# Altium PCB STM32F103最小系统板V1_0.PcbDoc (part 1 of 2)
Units mil, origin at the board's own origin, x right, y up, seen from the top; angles counter-clockwise.
Board outline 3570.03 x 4250.03 mil, 2 copper layers (Top Layer, Bottom Layer); 203 components, 158 nets, 636 pads, 276 vias.
Unrouted connection lines stored in the file: 3.
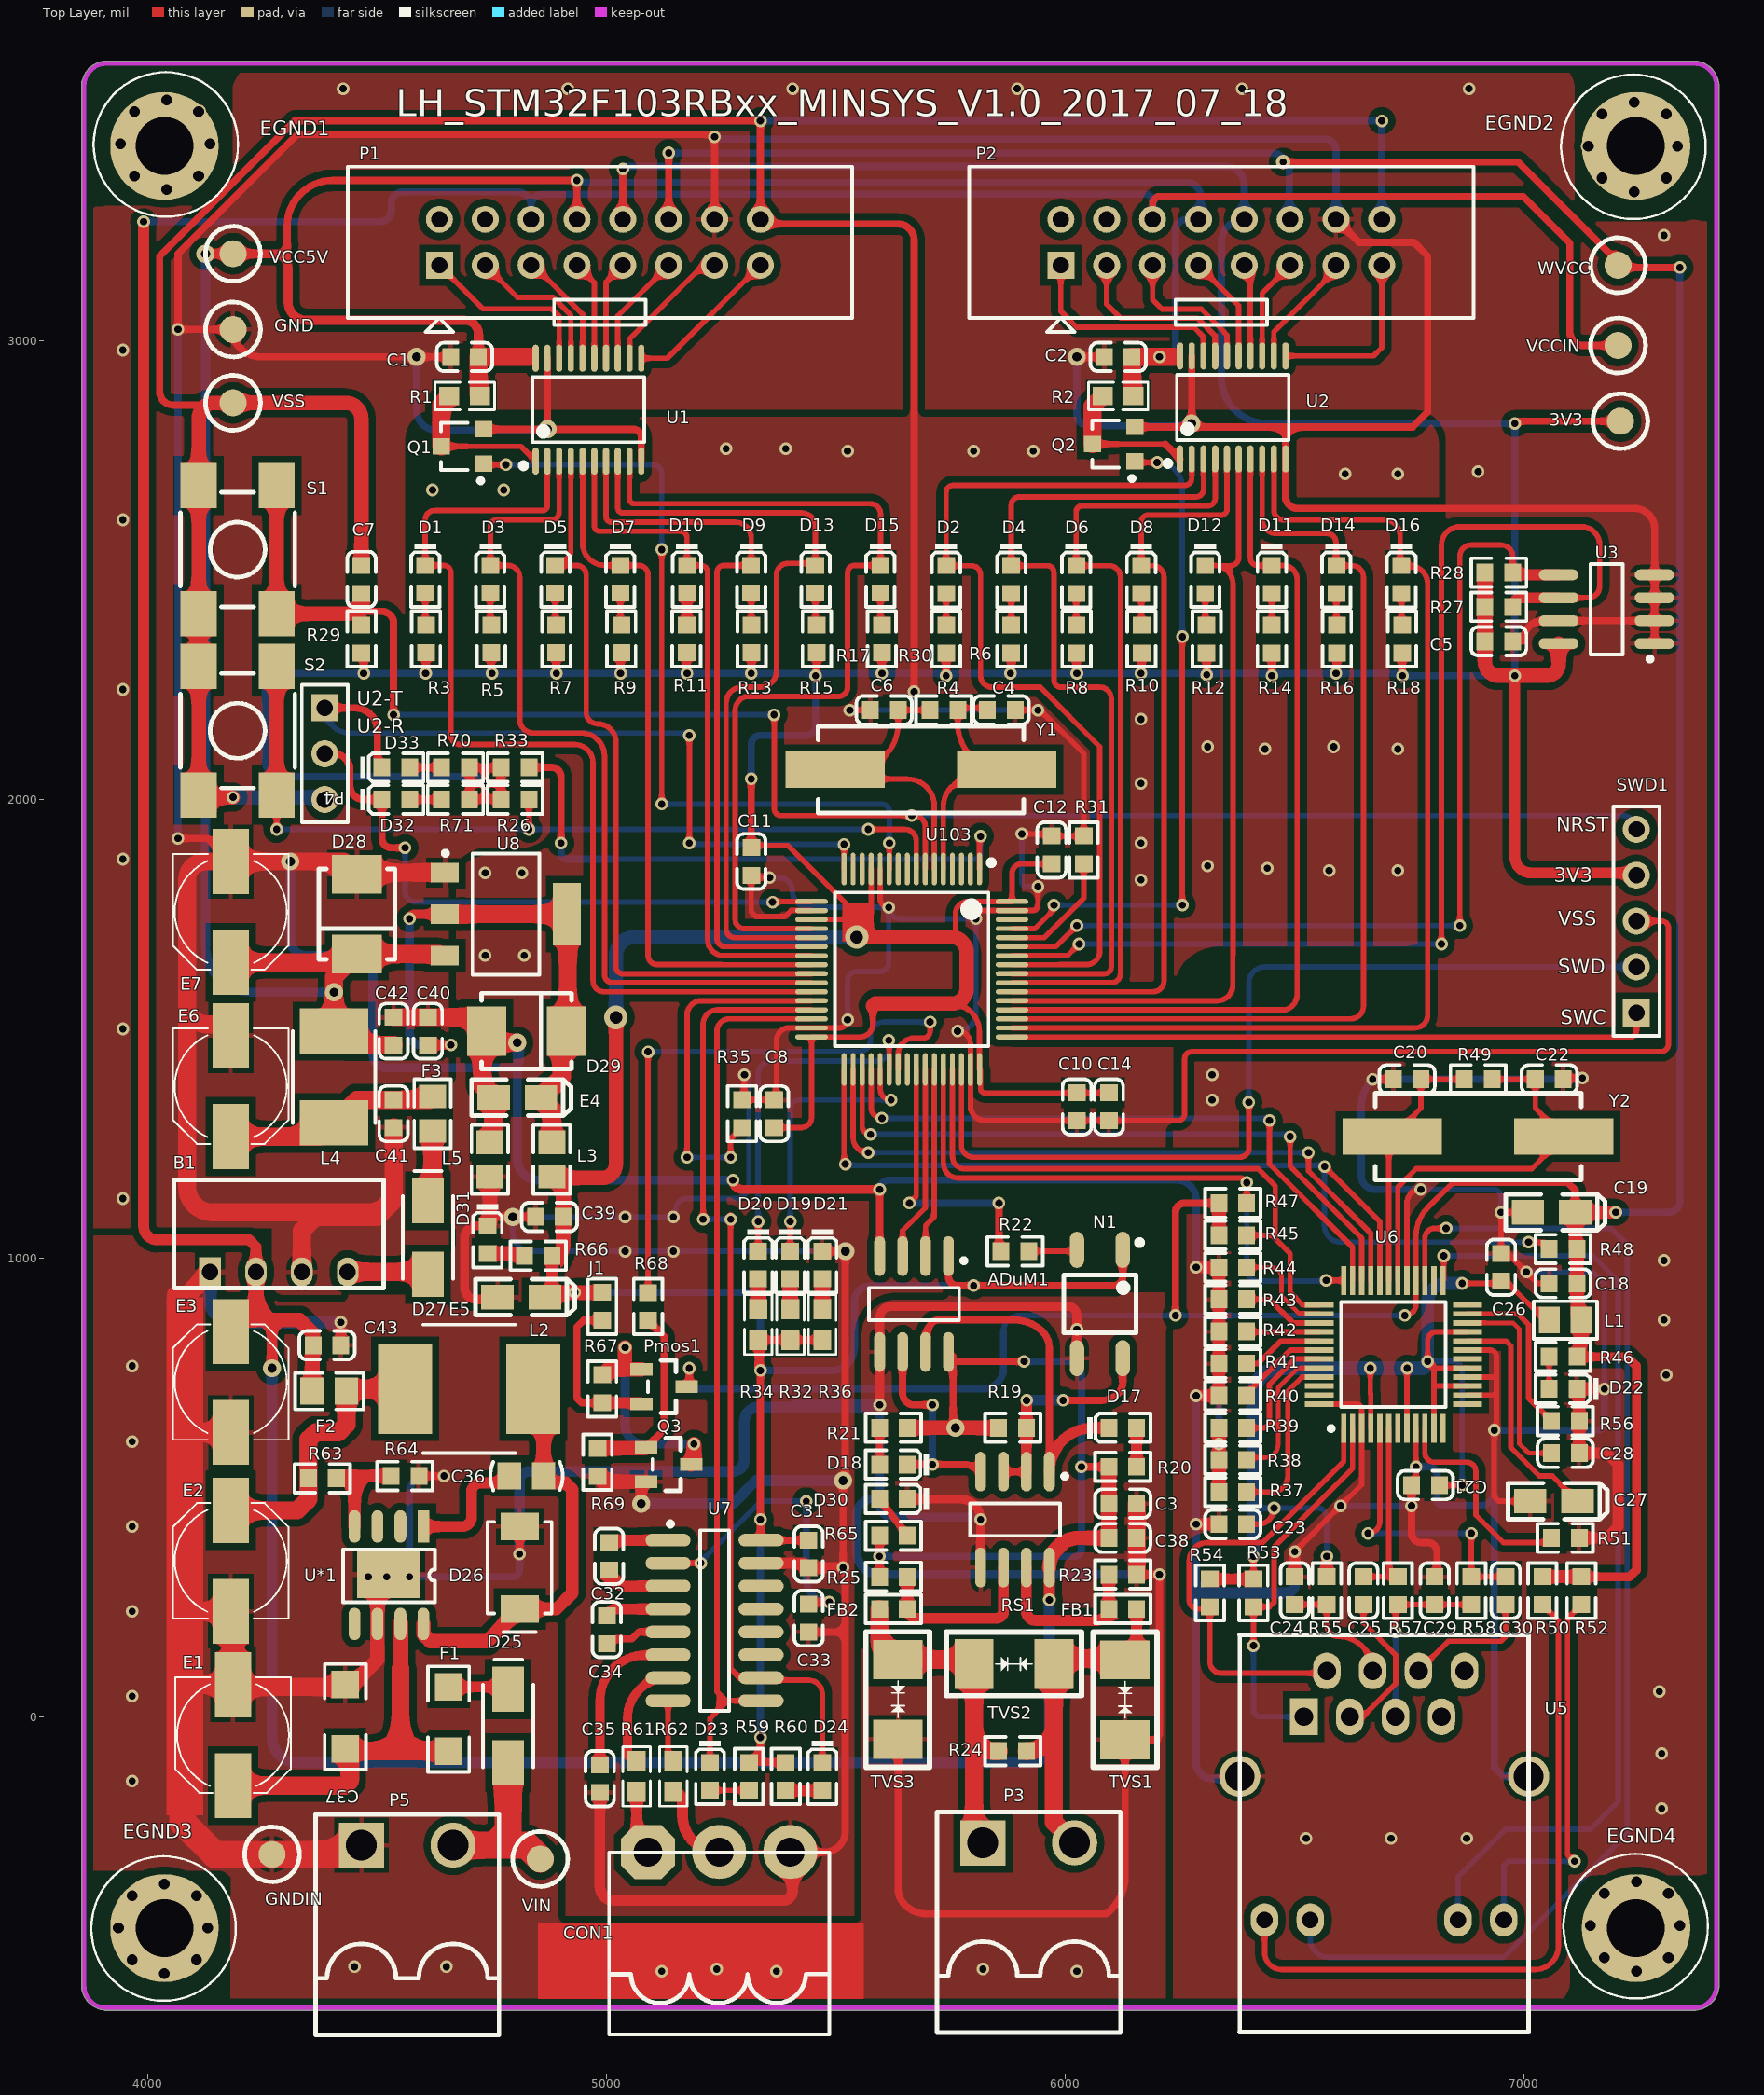
[diagram p0: Top Layer view]
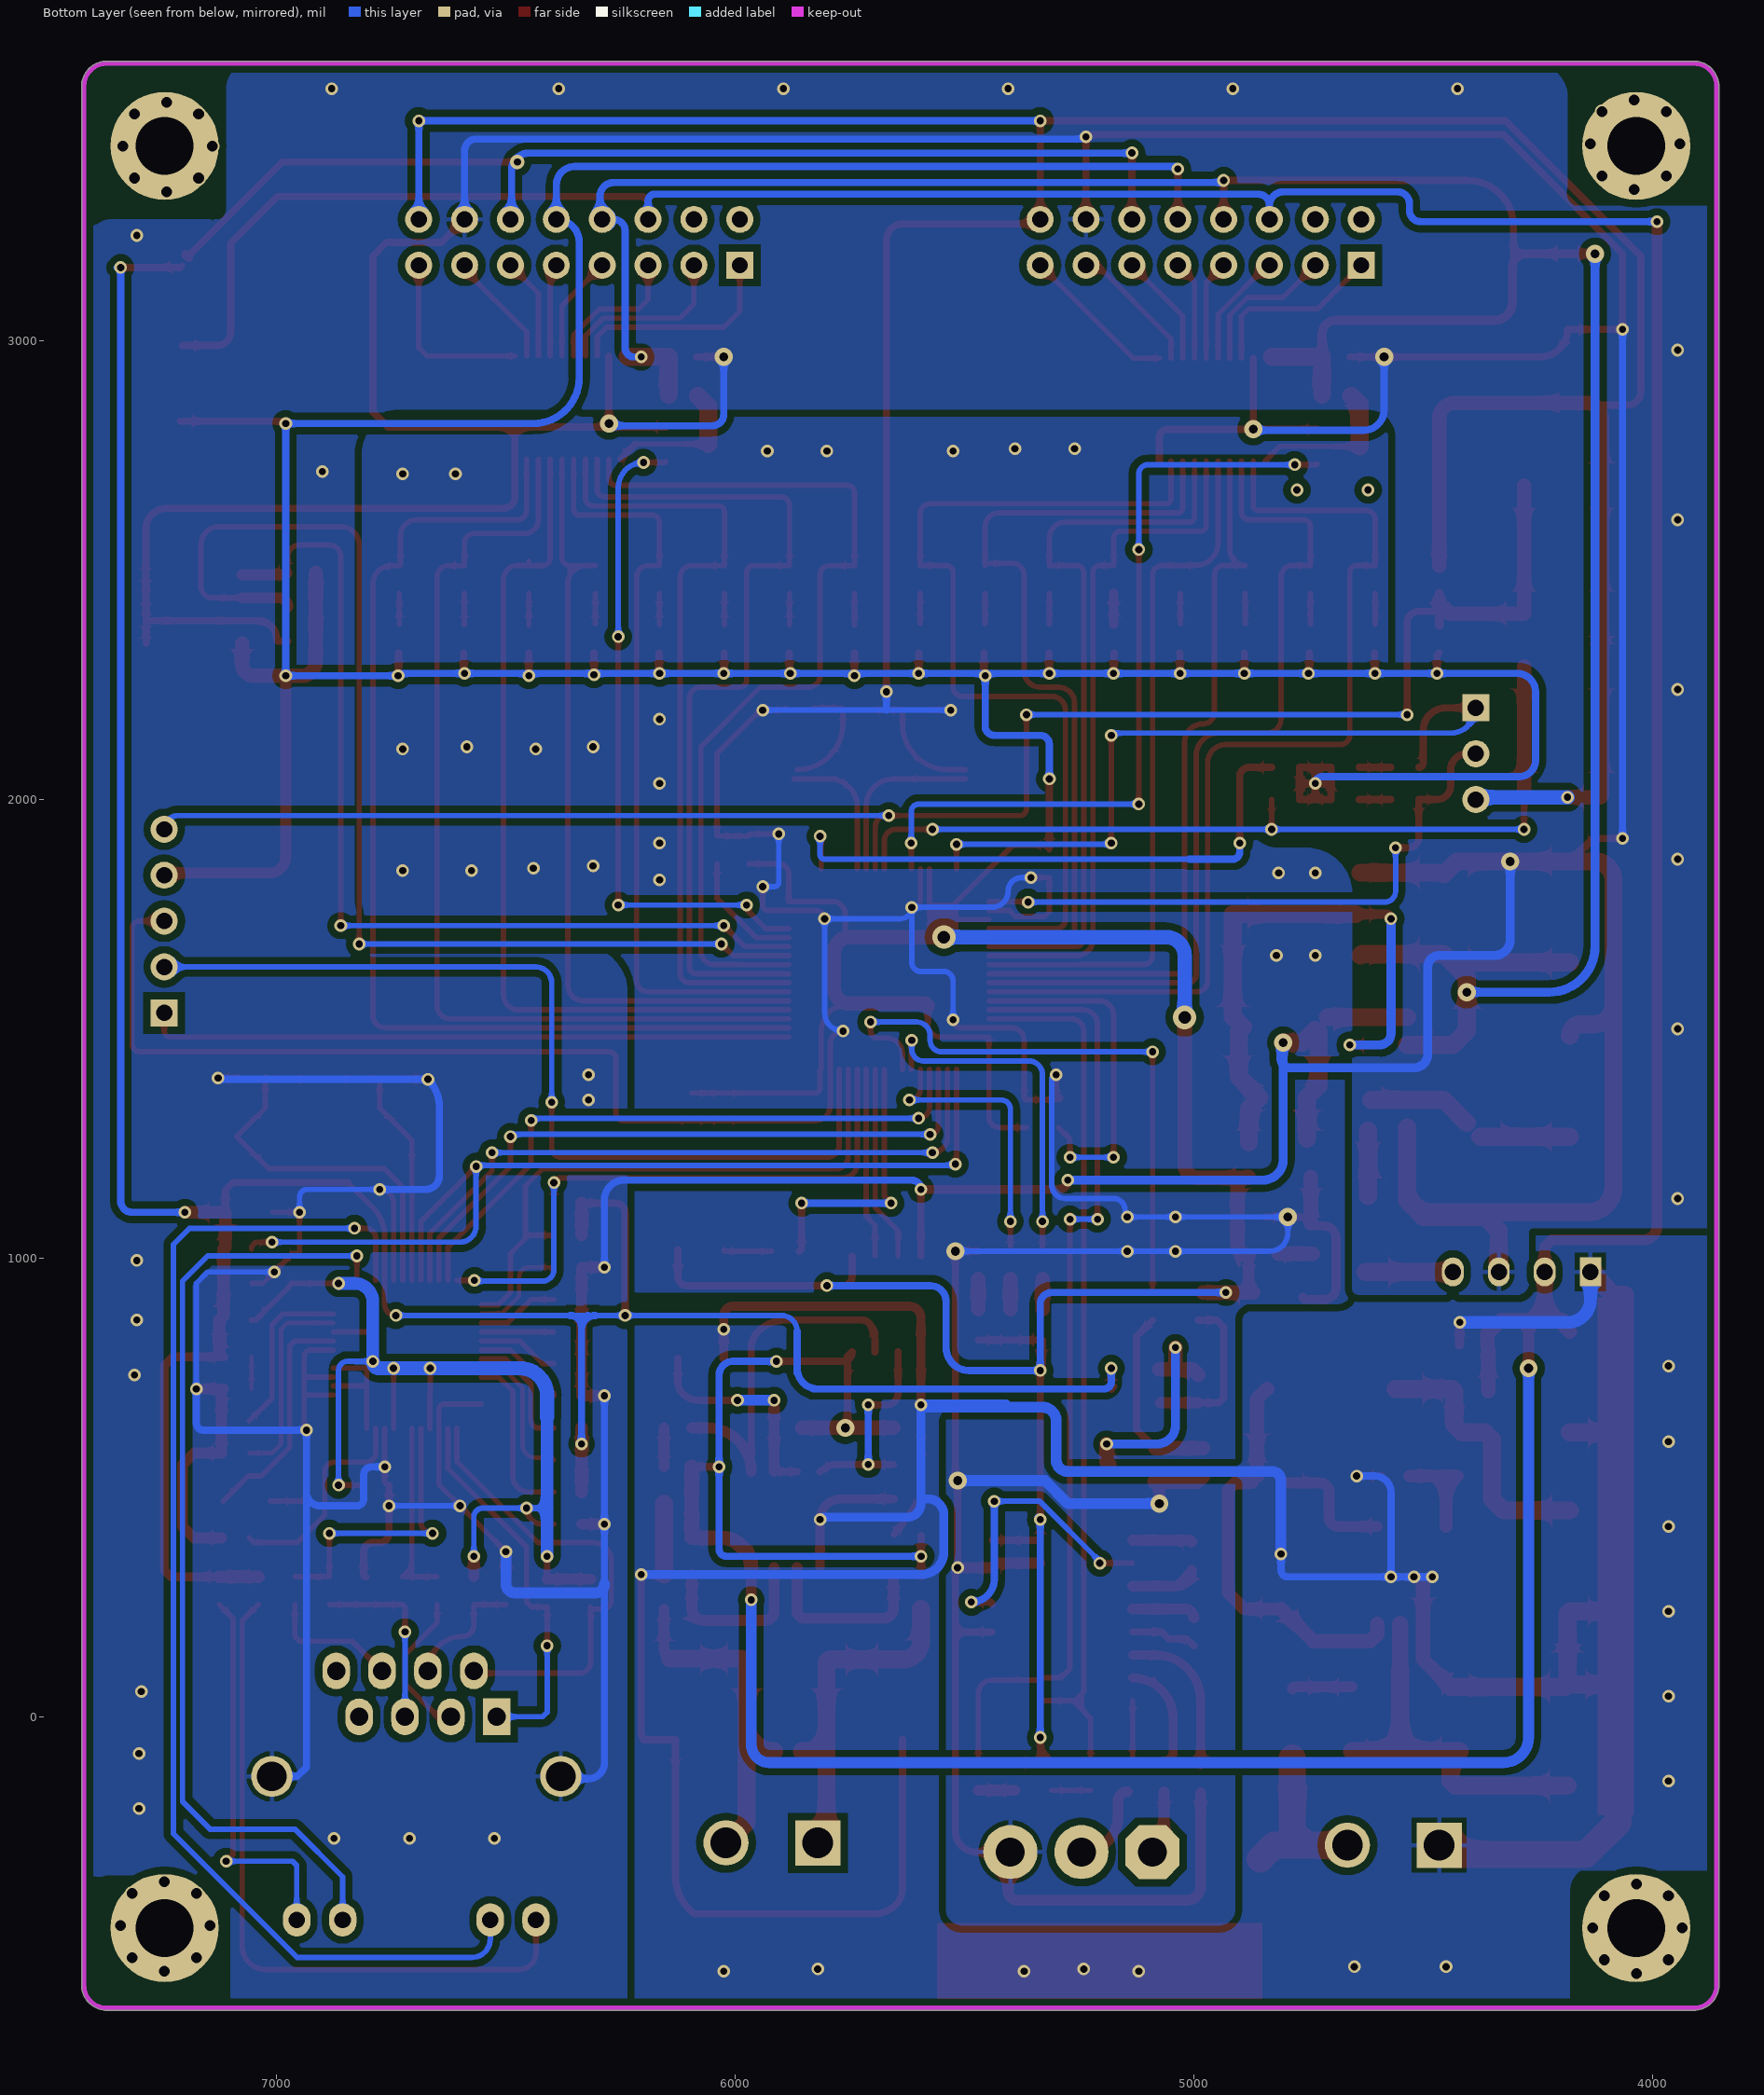
[diagram p1: Bottom Layer view, seen from below]
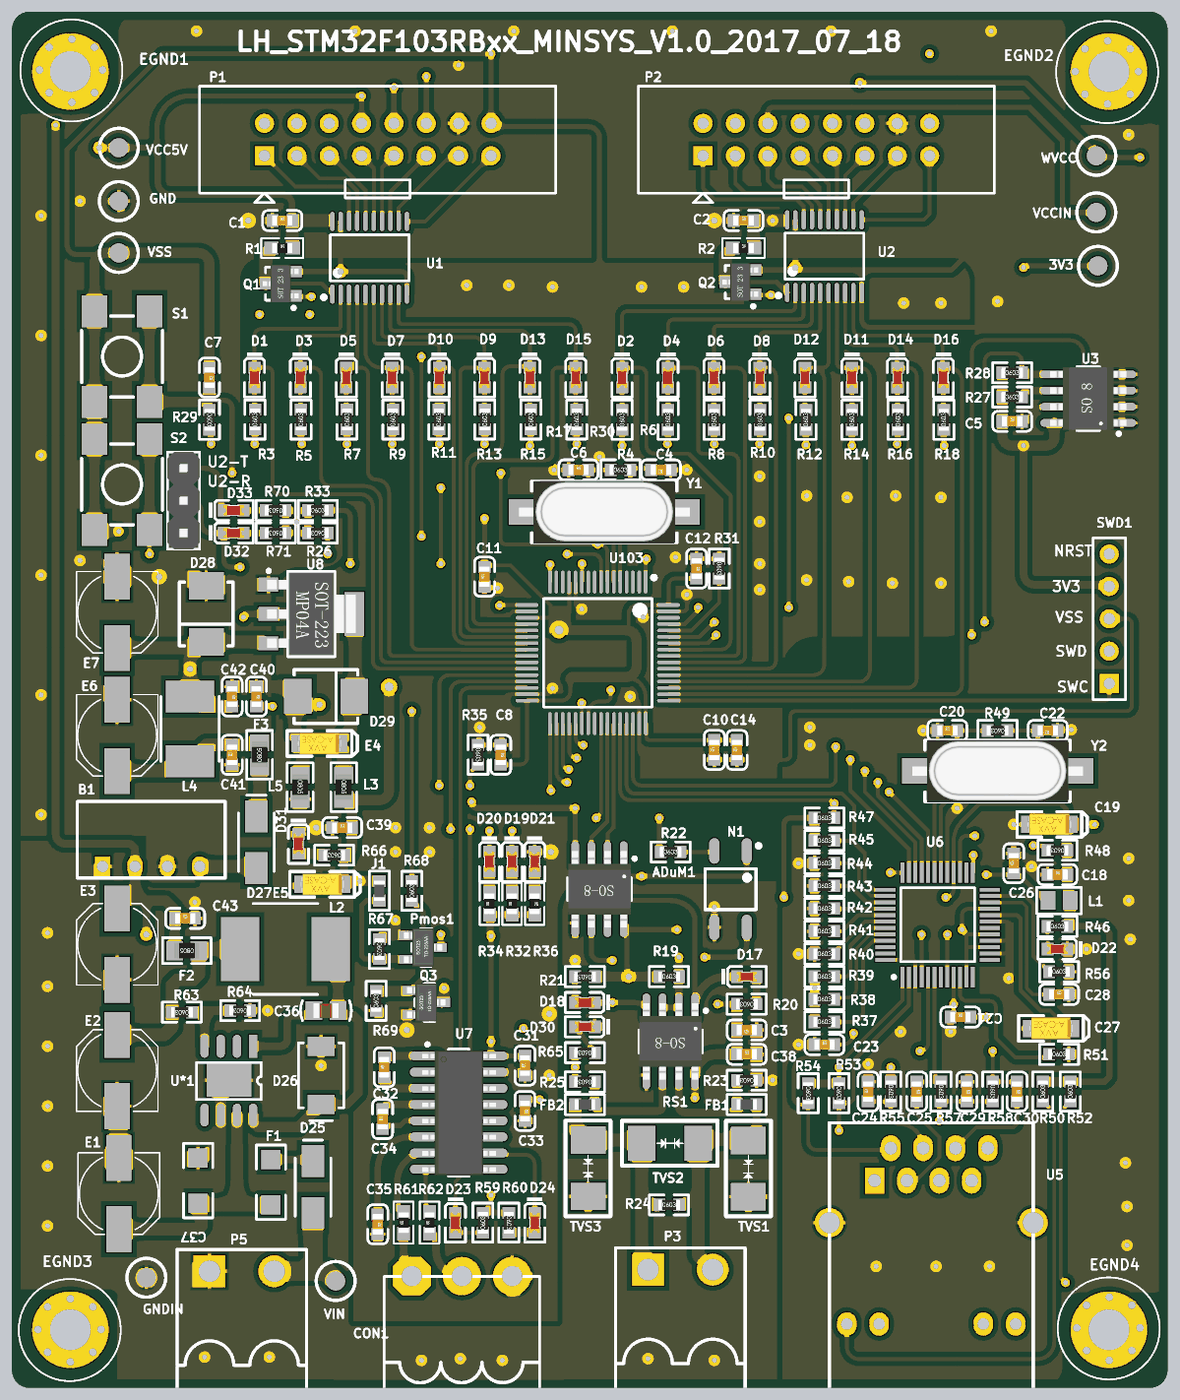
[diagram p3: 3D render of the assembled board from above, using the file's embedded part models]

## Layer stack, top to bottom
Top Solder: solder mask 0.4, Solder Resist, Dk 3.5
Top Layer: signal copper 1.4
Dielectric 1: dielectric 12.6, FR-4, Dk 4.8
Bottom Layer: signal copper 1.4
Bottom Solder: solder mask 0.4, Solder Resist, Dk 3.5

## Board outline
3854.99,-585 3854.99,3555 cw(c3910,3555) 3910,3610.01 7370,3610.01 cw(c7370,3555) 7425.01,3555 7425.01,-585 cw(c7370,-585) 7370,-640.01 3910,-640.01 cw(c3910,-585)

## Design rules (kind name [scope] priority, off if disabled: settings)
Clearance Clearance-poly [InPolygon] p1: gap=15.75
Clearance Clearance-track [All] p2: gap=7.87
PolygonConnect PolygonConnect_via [IsVia] p1: connectstyle=Direct reliefconductorwidth=10 reliefentries=4 polygonreliefangle="90 Angle" airgapwidth=10
PolygonConnect PolygonConnect_pad [All] p2: connectstyle=Relief reliefconductorwidth=10 reliefentries=4 polygonreliefangle="90 Angle" airgapwidth=10
RoutingVias [All] p1: holewidth=15.75 width=27.56 viastyle="Through Hole" minholewidth=11.81 minwidth=11.81 maxholewidth=78.74 maxwidth=78.74
SilkToSolderMaskClearance [IsPad] p1: minsilkscreentomaskgap=0 clearancetoexposedcopper=TRUE
SolderMaskExpansion [All] p1: expansion=4
Width [All] p1: maxlimit=78.74 minlimit=10 preferedwidth=15.75
29 further rules are at their usual default settings.

## Classes and differential pairs
component class W5500: C18 C19 C20 C21 C22 C23 C24 C25 C26 C27 C28 C29 C30 D22 L1 R37 R38 R39 R40 R41 R42 R43 R44 R45 R46 R47 R48 R49 R50 R51 R52 R53 R54 R55 R56 R57 R58 U5 U6 Y2
component class STM32F103最小系统板: C4 C5 C6 C7 C8 C10 C11 C12 C14 D19 D20 D21 D32 D33 P4 R26 R27 R28 R29 R30 R31 R32 R33 R34 R35 R36 R70 R71 S1 S2 SWD1 U3 U103 Y1
component class RS485: ADuM1 C3 D17 D18 FB1 FB2 N1 P3 R19 R20 R21 R22 R23 R24 R25 RS1 TVS1 TVS2 TVS3
component class POWER: 3V3 B1 C36 C37 C38 C39 C40 C41 C42 C43 D25 D26 D27 D28 D29 D30 D31 E1 E2 E3 E4 E5 E6 E7 EGND1 EGND2 EGND3 EGND4 F1 F2 F3 GND GNDIN J1 L2 L3 L4 L5 P5 Pmos1 Q3 R63 R64 R65 R66 R67 R68 R69 U8 U*1 VCC5V VCCIN VIN VSS WVCC
component class 232串口: C31 C32 C33 C34 C35 CON1 D23 D24 R59 R60 R61 R62 U7
component class 74HC245: C1 C2 D1 D2 D3 D4 D5 D6 D7 D8 D9 D10 D11 D12 D13 D14 D15 D16 P1 P2 Q1 Q2 R1 R2 R3 R4 R5 R6 R7 R8 R9 R10 R11 R12 R13 R14 R15 R16 R17 R18 U1 U2

## Components (designator, comment, footprint, x,y, rotation, side; value= is the part's Value field where it differs from the comment)
3V3 "CHECK" CHECK-B 7210,2825 r270 top
ADuM1 "ADuM1201" SOIC-8 5670,900 r270 top
B1 "B0505" B0505D-1WR2 4135,970 r0 top
C1 "104" LC-0603_C 4690,2965 r0 top
C2 "104" LC-0603_C 6115,2965 r0 top
C3 "104" LC-0603_C 6125,465 r180 top
C4 "22pF" LC-0603_C 5860,2195 r180 top
C5 "104" LC-0603_C 6945,2345 r0 top
C6 "22pF" LC-0603_C 5605,2195 r0 top
C7 "100nf" LC-0603_C 4465,2480 r270 top
C8 "100nf" LC-0603_C 5365,1315 r270 top
C10 "100nf" LC-0603_C 6025,1330 r90 top
C11 "100nf" LC-0603_C 5315,1865 r90 top
C12 "100nf" LC-0603_C 5970,1890 r270 top
C14 "100nf" LC-0603_C 6095,1330 r90 top
C18 "104" LC-0603_C 7085,945 r0 top
C19 "10uF" LC-CASE-A_3216 7060,1100 r0 top
C20 "18pF" LC-0603_C 6745,1390 r0 top
C21 "104" LC-0603_C 6785,505 r0 top
C22 "18pF" LC-0603_C 7055,1390 r180 top
C23 "104" LC-0603_C 6365,420 r0 top
C24 "0.22uF" LC-0603_C 6500,275 r90 top
C25 "6.8nF" LC-0603_C 6650,275 r270 top
C26 "104" LC-0603_C 6950,980 r90 top
C27 "4.7uF" LC-CASE-A_3216 7065,470 r0 top
C28 "103" LC-0603_C 7090,575 r0 top
C29 "103" LC-0603_C 6805,275 r270 top
C30 "6.8nF" LC-0603_C 6960,275 r270 top
C31 "100nF" LC-0603_C 5440,355 r90 top
C32 "100nf" LC-0603_C 5005,350 r90 top
C33 "100nf" LC-0603_C 5440,215 r270 top
C34 "100nf" LC-0603_C 5000,190 r90 top
C35 "100nf" LC-0603_C 4985,-135 r270 top
C36 "0.01uF" C-0805 4825,525 r180 top
C37 "100nf" 1206 4430,0 r270 top
C38 "104" LC-0603_C 6125,390 r0 top
C39 "100nf" LC-0603_C 4875,1090 r0 top
C40 "100nf" LC-0603_C 4610,1495 r270 top
C41 "100nf" LC-0603_C 4535,1315 r90 top
C42 "100nf" LC-0603_C 4535,1495 r270 top
C43 "104" LC-0603_C 4390,810 r0 top
CON1 "CON3" VH3.96-W-3P 5090,-295 r0 top
D1 "蓝灯 0603" LC-0603_LED_S1 4604.21,2480.32 r270 top
D2 "蓝灯 0603" LC-0603_LED_S1 5740,2479.68 r270 top
D3 "蓝灯 0603" LC-0603_LED_S1 4746.01,2480.32 r270 top
D4 "蓝灯 0603" LC-0603_LED_S1 5881.8,2479.68 r270 top
D5 "蓝灯 0603" LC-0603_LED_S1 4887.81,2480.32 r270 top
D6 "蓝灯 0603" LC-0603_LED_S1 6023.6,2479.68 r270 top
D7 "蓝灯 0603" LC-0603_LED_S1 5029.61,2480.32 r270 top
D8 "蓝灯 0603" LC-0603_LED_S1 6165.39,2479.68 r270 top
D9 "蓝灯 0603" LC-0603_LED_S1 5314.83,2480.32 r270 top
D10 "蓝灯 0603" LC-0603_LED_S1 5174.83,2480.32 r270 top
D11 "蓝灯 0603" LC-0603_LED_S1 6450,2480 r270 top
D12 "蓝灯 0603" LC-0603_LED_S1 6305,2480 r270 top
D13 "蓝灯 0603" LC-0603_LED_S1 5455,2480.32 r270 top
D14 "蓝灯 0603" LC-0603_LED_S1 6590.79,2479.68 r270 top
D15 "蓝灯 0603" LC-0603_LED_S1 5596.8,2480.32 r270 top
D16 "蓝灯 0603" LC-0603_LED_S1 6732.58,2479.68 r270 top
D17 "绿灯 0603" LC-0603_LED_S1 6125,630 r0 top
D18 "绿灯 0603" LC-0603_LED_S1 5625,550 r180 top
D19 "绿灯 0603" LC-0603_LED_S1 5400,985 r270 top
D20 "绿灯 0603" LC-0603_LED_S1 5330,985 r270 top
D21 "绿灯 0603" LC-0603_LED_S1 5470,985 r270 top
D22 "蓝灯 0603" LC-0603_LED_S1 7085,715 r180 top
D23 "绿灯 0603" LC-0603_LED_S1 5225,-130 r270 top
D24 "绿灯 0603" LC-0603_LED_S1 5470,-130 r270 top
D25 "SS34" D-SMA 4785,-20 r90 top
D26 "Diode-Z" D-SMB 4810,325 r270 top
D27 "SS34" D-SMA 4610,1045 r90 top
D28 "smbj5.0ca" LC-SMB(DO-214AA)_S1 4455,1750 r90 top
D29 "smbj5.0ca" LC-SMB(DO-214AA)_S1 4825,1495 r180 top
D30 "红灯 0603" LC-0603_LED_S1 5625,475 r180 top
D31 "绿灯 0603" LC-0603_LED_S1 4740,1040 r270 top
D32 "绿灯 0603" LC-0603_LED_S1 4540,2070 r0 top
D33 "绿灯 0603" LC-0603_LED_S1 4540,2000 r0 top
E1 "220uF/16V" C-RB-SD6 4185,-40 r90 top
E2 "220uF/16V" C-RB-SD6 4180,340 r270 top
E3 "22UF" C-RB-SD6 4180,730 r270 top
E4 "TAJA106M010RNJ" LC-CASE-A_3216 4805,1350 r0 top
E5 "TAJA106M010RNJ" LC-CASE-A_3216 4813.43,915 r0 top
E6 "220uF" C-RB-SD6 4180,1375 r90 top
E7 "22uF" C-RB-SD6 4180,1755 r90 top
EGND1 "EGND" H-6-3.2m#1 4040,3430 r0 top
EGND2 "EGND" H-6-3.2m#2 7240,3425 r0 top
EGND3 "EGND" H-6-3.2m#3 4035,-460 r0 top
EGND4 "EGND" H-6-3.2m#4 7245,-455 r0 top
F1 "Fuse2" 1206 4655,-5 r270 top
F2 "SMD0805P050TF/500mA" 0805-1 4395,710 r180 top
F3 "SMD0805P050TF" 0805-1 4620,1315 r90 top
FB1 "0R" LC-0603_L 6125,235 r180 top
FB2 "0R" LC-0603_L 5625,235 r0 top
GND "CHECK" CHECK-B 4185,3025 r270 top
GNDIN "CHECK" CHECK-B 4270,-300 r0 top
J1 "0R" LC-0603_L 4990,895 r90 top
L1 "1uH" LC-0805_L 7090,865 r180 top
L2 "Inductor" L-SMD-7 4700,715 r180 top
L3 "Inductor" 0805-1 4880,1215 r270 top
L4 "Inductor" L-SMD-3 4405,1395 r90 top
L5 "Inductor" 0805-1 4745,1215 r270 top
N1 "EL357" lc-sop-4_P2.54 6075,900 r270 top
P1 "Header 8X2" DC3-16P-2.54mm 4985,3215 r180 top
P2 "Header 8X2" DC3-16P-2.54mm 6340,3215 r180 top
P3 "Header 2" WJ2EDGR508-2 5820,-275 r0 top
P4 "Header 3" HDR3X1-2.54 4385,2200 r270 top
P5 "Header 2" WJ2EDGR508-2 4465,-280 r0 top
Pmos1 "SI2301" LC-SOT-23(SOT-23-3) 5125,720 r180 top
Q1 "NPN" SOT23-3 4685,2770 r90 top
Q2 "NPN" SOT23-3 6105,2775 r90 top
Q3 "S8050" LC-SOT-23(SOT-23-3) 5135,550 r180 top
R1 "Res1" 0603-1 4690,2880 r0 top
R2 "Res1" 0603-1 6115,2880 r0 top
R3 "1.5KΩ (1501) ±1%" LC-0603_R 4605.83,2350.32 r90 top
R4 "1.5KΩ (1501) ±1%" LC-0603_R 5740,2350 r90 top
R5 "1.5KΩ (1501) ±1%" LC-0603_R 4747.83,2350.32 r90 top
R6 "1.5KΩ (1501) ±1%" LC-0603_R 5882,2350 r90 top
R7 "1.5KΩ (1501) ±1%" LC-0603_R 4889.83,2350.32 r90 top
R8 "1.5KΩ (1501) ±1%" LC-0603_R 6024,2350 r90 top
R9 "1.5KΩ (1501) ±1%" LC-0603_R 5031.83,2350.32 r90 top
R10 "1.5KΩ (1501) ±1%" LC-0603_R 6166,2350 r90 top
R11 "1.5KΩ (1501) ±1%" LC-0603_R 5173.83,2350.32 r90 top
R12 "1.5KΩ (1501) ±1%" LC-0603_R 6308,2350 r90 top
R13 "1.5KΩ (1501) ±1%" LC-0603_R 5315.83,2350.32 r90 top
R14 "1.5KΩ (1501) ±1%" LC-0603_R 6450,2350 r90 top
R15 "1.5KΩ (1501) ±1%" LC-0603_R 5457.83,2350.32 r90 top
R16 "1.5KΩ (1501) ±1%" LC-0603_R 6592,2350 r90 top
R17 "1.5KΩ (1501) ±1%" LC-0603_R 5599.83,2350.32 r90 top
R18 "1.5KΩ (1501) ±1%" LC-0603_R 6734,2350 r90 top
R19 "1K" LC-0603_R 5885,630 r0 top
R20 "1K" LC-0603_R 6125,545 r180 top
R21 "1K" LC-0603_R 5625,630 r180 top
R22 "200R" LC-0603_R 5890,1015 r0 top
R23 "1K" LC-0603_R 6125,310 r180 top
R24 "120R" LC-0603_R 5885,-75 r0 top
R25 "1K" LC-0603_R 5625,305 r180 top
R26 "0R" LC-0603_R 4800,2070 r0 top
R27 "10K" LC-0603_R 6945,2420 r0 top
R28 "10K" LC-0603_R 6945,2495 r0 top
R29 "10K" LC-0603_R 4465,2350 r270 top
R30 "1M" LC-0603_R 5735,2195 r0 top
R31 "10K" LC-0603_R 6040,1890 r270 top
R32 "1K" 0603-1 5400,855 r90 top
R33 "10K" LC-0603_R 4800,2000 r180 top
R34 "1K" 0603-1 5330,855 r90 top
R35 "10K" LC-0603_R 5295,1315 r270 top
R36 "1K" 0603-1 5470,855 r270 top
R37 "10K" LC-0603_R 6365,490 r0 top
R38 "10K" LC-0603_R 6365,560 r0 top
R39 "10K" LC-0603_R 6365,630 r0 top
R40 "10K" LC-0603_R 6365,700 r0 top
R41 "10K" LC-0603_R 6365,770 r0 top
R42 "10K" LC-0603_R 6365,840 r0 top
R43 "10K" LC-0603_R 6365,910 r0 top
R44 "10K" LC-0603_R 6365,980 r0 top
R45 "10K" LC-0603_R 6365,1050 r0 top
R46 "1K" LC-0603_R 7085,785 r0 top
R47 "10K" LC-0603_R 6365,1120 r0 top
R48 "10K" LC-0603_R 7085,1020 r180 top
R49 "1M" LC-0603_R 6900,1390 r180 top
R50 "1K" LC-0603_R 7040,275 r90 top
R51 "12.4K" LC-0603_R 7090,390 r0 top
R52 "1K" LC-0603_R 7125,275 r90 top
R53 "49R9" LC-0603_R 6410,270 r270 top
R54 "49R9" LC-0603_R 6315,270 r270 top
R55 "10R" LC-0603_R 6570,275 r270 top
R56 "10K" LC-0603_R 7090,645 r0 top
R57 "82R" LC-0603_R 6725,275 r270 top
R58 "82R" LC-0603_R 6885,275 r270 top
R59 "1K" LC-0603_R 5310,-130 r90 top
R60 "1K" LC-0603_R 5390,-130 r270 top
R61 "R5@1M" 0603-1 5065,-130 r90 top
R62 "R5@1M" 0603-1 5145,-130 r90 top
R63 "10K" LC-0603_R 4380,520 r180 top
R64 "3.24K" LC-0603_R 4560,525 r180 top
R65 "1.5KΩ (1501) ±1%" LC-0603_R 5625,395 r180 top
R66 "10K" LC-0603_R 4850.32,1005 r180 top
R67 "10K" LC-0603_R 4990,715 r270 top
R68 "2K" LC-0603_R 5090,894.68 r90 top
R69 "10K" LC-0603_R 4980,555 r90 top
R70 "10K" LC-0603_R 4670,2000 r180 top
R71 "10K" LC-0603_R 4670,2070 r180 top
RS1 "MAX3085E" SOIC-8 5890,430 r270 top
S1 "SW-PB4" SW_PB4_A1 4195,2545 r90 top
S2 "SW-PB4" SW_PB4_A1 4195,2150 r270 top
SWD1 "Header 5" HDR1X5 7245,1535 r90 top
TVS1 "P6KE6.8CA" TVS 6130,125 r270 top
TVS2 "P6KE6.8CA" TVS 5800,115 r0 top
TVS3 "P6KE6.8CA" TVS 5635,-50 r90 top
U1 "74HC245" LC-TSSOP-20 4960,2850 r0 top
U2 "74HC245" LC-TSSOP-20 6365,2855 r0 top
U3 "AT24C256CSSHLT" SOIC-8 7180,2415 r180 top
U5 "HR911105A" HR911105A 7010,-130 r270 top
U6 "W5500" LQFP48 6715,790 r180 top
U7 "SP232EEN" SOIC-16 5235,210 r0 top
U8 "ASM1117" SOT223 4780,1750 r270 top
U103 "STM32F103RBT6-64" LC-LQFP-64_10x10x05P 5665,1630 r180 top
U*1 "TPS5430" SOIC8 4600,415 r270 top
VCC5V "CHECK" CHECK-B 4185,3190 r0 top
VCCIN "CHECK" CHECK-B 7205,2990 r0 top
VIN "CHECK" CHECK-B 4855,-310 r270 top
VSS "CHECK" CHECK-B 4185,2865 r270 top
WVCC "CHECK" CHECK-B 7205,3165 r0 top
Y1 "X49SM8MSD2SI" LC-HC-49SMD 5685,2065 r0 top
Y2 "25MHz" LC-HC-49SMD 6900,1265 r0 top
